# Allegro board 20250806_UNOQ.brd (continued)
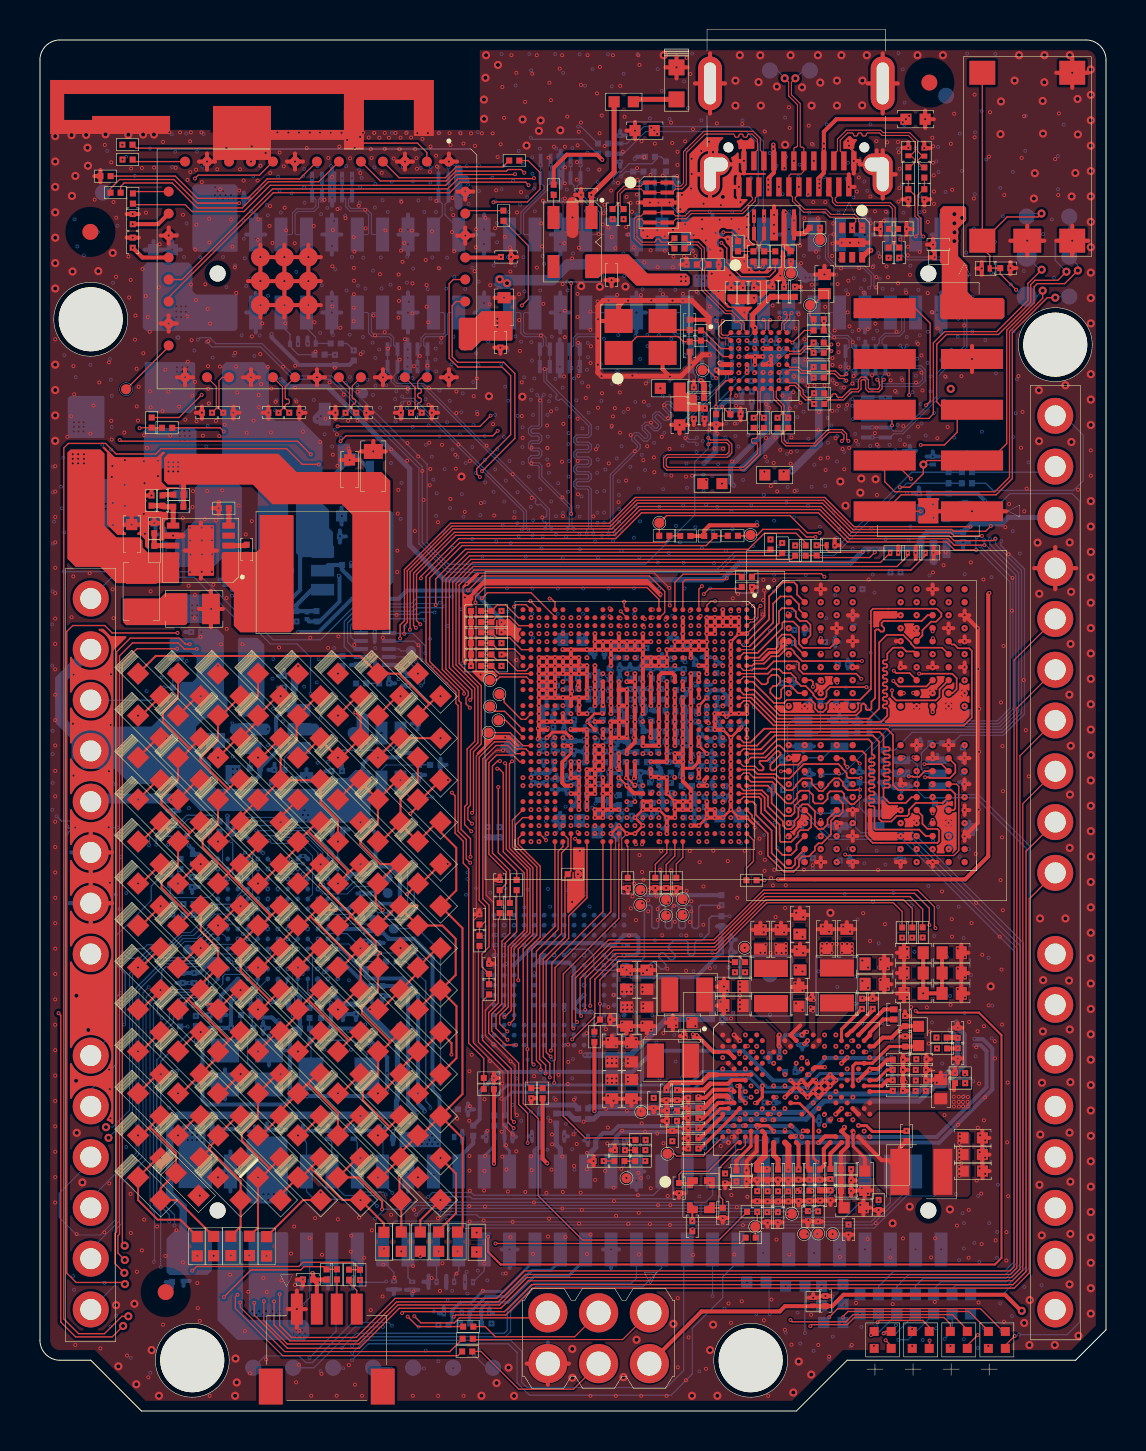
[diagram p0: board, top side]
## Routing (per net, layer and track width the routed paths; a pad name or vN(x,y) marks a point on that pad's centre or on a via; arc(x,y) is an arc through that point) (continued)
FORCED_USB_BOOT_POL_SEL: length 22.1
  TOP w0.066: v2(20.61,30.93) 20.77,30.77 20.77,28.91 21.18,28.5 21.18,27.4 21.45,27.13 21.45,18.4 22.21,17.64 R1314.1 R1313.2
  S3 w0.064: v2(20.61,30.93) 21.12,30.42 21.51,30.42 22.26,29.67 25.81,29.67 26.01,29.87 26.38,29.87 v2(26.57,29.68)
HPH_L: length 22.8
  TOP w0.15: v2(42.67,16.02) 42.63,15.98 PMIC1.L27
  S3 w0.15: v3(42.39,15.99) 42.65,15.99 v2(42.67,16.02)
  S6 w0.15: v3(42.39,15.99) 42.39,16.29 v5(42.4,16.3)
  BOTTOM w0.15: v5(42.4,16.3) 42.1,16.6 39.15,16.6 38.51,15.96 36.2,15.96 35.52,16.64 33.26,16.64 32.57,15.95 23.61,15.95 23.27,15.61 R2634.2
HPH_L_CONN: length 2.4
  BOTTOM w0.15: 23.49,11.98 23.49,13 23.24,13.26 D26089.2 23.24,14.25 R2634.1
HPH_R: length 23.4
  TOP w0.15: PMIC1.J27 41.87,16.55 42.39,17.07 v2(42.67,17.07)
  S3 w0.15: v2(42.67,17.07) 42.67,17.07 v3(42.37,17.07)
  S6 w0.15: v3(42.37,17.07) v5(42.05,17.07)
  BOTTOM w0.15: R2635.2 22.73,15.66 23.38,16.31 32.47,16.31 33.14,16.98 35.6,16.98 36.39,16.19 38.33,16.19 39.02,16.88 41.86,16.88 v5(42.05,17.07)
HPH_R_CONN: length 2.5
  BOTTOM w0.15: 22.22,11.98 22.22,12.75 22.73,13.26 D26090.2 22.73,14.27 R2635.1
HPH_REF: length 27.4
  TOP w0.15: 42.12,16.26 PMIC1.K26
  TOP w0.2: 42.12,16.26 42.4,16.54 v2(42.67,16.54)
  S3 w0.2: v3(42.95,16.54) 42.93,16.54 42.92,16.54 v2(42.67,16.54)
  S6 w0.2: v5(42.65,16.54) v3(42.95,16.54)
  BOTTOM w0.2: R2633.2 22,14.59 22,15.98 22.99,16.97 29.66,16.97 30.71,18.02 35.19,18.02 36.67,16.54 38.19,16.54 39.3,17.65 41.8,17.65 ; v5(42.65,16.54) 42.65,17.15
  BOTTOM w0.203: 41.8,17.65 42.15,17.65 42.65,17.15
HPH_REF_CONN: length 2.1
  BOTTOM w0.203: 20.95,11.98 20.95,12.66 21.68,13.39 R2633.1
HS_DET: length 51.5
  TOP w0.1: v2(22.42,8.72) 22.42,7.96 23.05,7.33 47.78,7.33 48.11,7.66 48.11,18.8 46.98,19.93 43.9,19.93 v2(43.81,20.02)
  S3 w0.064: v2(22.42,8.72) v3(22.42,9.16)
  S3 w0.1: v2(43.81,20.02) 43.56,19.76 42.75,19.76 42.09,19.1 41.2,19.1 40.39,18.29 40.39,18.21 v2(40.36,18.19)
  S6 w0.1: v5(19.68,11.82) 19.76,11.82 v3(22.42,9.16)
  BOTTOM w0.1: 19.68,11.98 v5(19.68,11.82)
JTAG_PS_HOLD: length 22
  TOP w0.066: R709.2 35.02,8.38 v2(22.79,8.38)
  S3 w0.064: v2(22.79,8.38) 22.79,8.17 20.12,5.5 20.12,3.08 v3(20.4,2.8)
  S6 w0.064: v5(21.71,2.8) v3(20.4,2.8)
  BOTTOM w0.066: TP1213.1 22.64,2.14 22.37,2.14 v5(21.71,2.8)
LDO1_EN: length 2
  BOTTOM w0.066: U2801.1 11.7,40.05 R2801.2 11.68,39.33 SB2801.2
LDO1_FB: length 3
  BOTTOM w0.203: C2803.2 13.42,40.01 R2802.2 13.3,40.01 R2803.1 12.83,40.31 13.6,41.08 U2801.6
LDO1_PG: length 8.2
  BOTTOM w0.203: U2801.5 14.43,42.32 15.11,42.32 15.11,42.09 15.94,41.26 C2808.1 17.08,41.26 R2810.1 17.44,41.37 17.58,41.51 17.58,44.86 Q2802.1
LDO2_EN: length 1
  BOTTOM w0.066: U2802.1 10.52,32.48 10.5,32.46 R2804.2
LDO2_FB: length 2.8
  BOTTOM w0.066: U2802.6 12.69,33.15 12.23,32.7 R2806.1 12.23,31.45 C2807.2 12.22,31.43 R2805.2
LED_MATRIX_0: length 22.5
  S3 w0.1: v3(13.22,9.1) 15.04,9.1 16.42,7.72 19.01,7.72 v2(19.03,7.74)
  S6 w0.1: v4(12.09,21.39) 12.04,21.34 12.04,18.67 9.32,15.95 9.32,13.49 13.18,9.63 13.18,9.14 v3(13.22,9.1)
  G7 w0.1: v5(12.9,22.11) 12.17,21.39 v4(12.09,21.39)
LED_MATRIX_0_R: length 84
  TOP w0.1: D27022.2 17.07,20.09 D27021.1 18.91,21.92 D27008.2 19.88,23.15 D27007.1 ; 15.39,26.86 15.88,27.35 v1(16.04,27.35) ; 15.39,26.86 v1(14.91,26.39) ; 15.39,26.86 15.39,27.03 13.42,29 ; v1(10.91,26.39) 11.07,26.39 D27057.1 12.91,28.22 D27044.2 13.42,29 ; v1(10.04,21.05) 9.88,21.05 D27074.2 8.63,20.36 v1(8.36,20.36) ; 19.48,35.36 17.95,36.89 D27014.2 16.02,37.77 5.79,37.77 D27092.2 ; 19.48,35.36 D27002.2 ; 19.48,35.36 19.88,35.75 v1(20.04,35.75) ; D27091.1 v1(8,10.77) ; D27003.1 19.07,30.59 D27004.2 18.91,30.26 v1(18.53,29.88) ; 13.42,29 13.88,29.45 D27043.1 ; R2711.2 19.03,9.54 v1(20.04,10.55)
  G2 w0.1: v1(16.51,20.09) 13.58,23.02 13.58,25.29 14.68,26.39 v1(14.91,26.39) ; v1(16.04,27.35) 16.04,27.39 v1(18.53,29.88) ; v1(10.91,26.39) 10.45,26.39 9.47,25.41 9.47,21.62 v1(10.04,21.05) ; v1(20.04,35.75) 20.42,35.37 v1(20.42,31.56) ; v1(20.04,10.55) 16.78,10.55 16.48,10.25 12.67,10.25 11.92,11 8.23,11 v1(8,10.77) D27091.1 6.31,12.4 6.31,18.31 v1(8.36,20.36)
LED_MATRIX_1: length 25.9
  S3 w0.1: v2(21.85,7.96) 21.25,7.36 16.17,7.36 15.02,8.51 v3(13.77,8.51)
  S6 w0.1: v3(13.77,8.51) 13.77,9.35 9.55,13.56 9.55,15.72 12.29,18.47 12.29,20.8 12.42,20.93 12.42,22.59 v5(12.4,22.61)
LED_MATRIX_1_R: length 74.8
  TOP w0.1: D27005.1 19.07,26.39 D27006.2 v1(18.37,25.85) ; 13.53,24.74 13.07,24.29 D27046.2 12.04,23.42 D27059.1 11.07,22.19 v1(10.91,22.19) ; 13.53,24.74 15.51,22.76 15.51,22.63 ; 13.53,24.74 D27045.1 14.23,25.06 v1(14.8,25.06) ; D27034.2 15.07,22.19 15.51,22.63 ; v1(16.91,32.69) 17.88,33.65 D27015.1 v1(20.04,33.65) ; v1(20.59,17.83) 20.59,18.4 D27009.1 19.07,17.99 D27010.2 18.04,17.12 D27023.1 17.07,15.89 v1(16.91,15.89) ; D27076.2 9.07,15.89 v1(10.04,16.85) ; v1(6.33,33.65) 6.04,33.65 D27093.1 5.88,33.65 D27094.2 ; 15.51,22.63 v1(16.04,23.15)
  G2 w0.1: v1(6.33,33.65) 7.09,33.65 8.79,35.35 10.44,35.35 12.75,33.04 15.39,33.04 15.74,32.69 v1(16.91,32.69) ; v1(18.37,25.85) 17.7,25.85 17.19,25.34 15.08,25.34 v1(14.8,25.06) ; v1(20.4,27.37) 20.04,27.73 v1(20.04,33.65) 20.04,34.51 18.91,35.64 v1(18.91,36.89) ; v1(10.04,16.85) 10.39,17.2 10.39,20.55 10.91,21.07 v1(10.91,22.19) ; v1(16.91,15.89) 16.44,16.35 16.44,18.5 16.8,18.86 16.8,20.15 16.04,20.91 v1(16.04,23.15) ; v1(20.59,17.83) 21.16,17.83 21.85,17.14 v1(21.85,8.92)
LED_MATRIX_2: length 26.1
  S3 w0.1: v2(20.89,7.99) 20.44,7.54 16.3,7.54 15.03,8.81 12.94,8.81 12.73,9.02 v3(12.52,9.02)
  S6 w0.1: v3(12.52,9.02) 12.52,9.96 9.07,13.41 9.07,16.08 11.79,18.8 11.79,20.31 11.81,20.33 11.81,21.51 12.19,21.89 12.19,22.76 12.4,22.97 v5(12.4,23.11)
LED_MATRIX_2_R: length 84
  TOP w0.1: D27047.1 13.88,21.05 13.41,20.58 ; D27003.2 18.91,31.48 18.04,30.61 D27017.1 ; v1(6.45,29.04) D27095.1 5.07,28.49 D27096.2 ; D27017.1 17.07,28.49 D27018.2 ; D27017.1 18.04,29.35 D27005.2 19.88,29.45 D27004.1 20.04,28.96 20.83,28.17 20.83,26.04 D27006.1 21.14,24.15 21.14,15.85 D27011.1 ; R2702.2 21.15,9.21 21.15,13.64 D27011.1 ; 15.47,18.55 15.88,18.95 D27035.1 ; 15.47,18.55 D27036.2 ; 15.47,18.55 15.44,18.55 13.41,20.58 ; v1(10.91,17.99) 11.88,18.95 D27061.1 12.91,19.82 D27048.2 13.41,20.58 ; D27011.1 19.07,13.79 D27012.2 18.04,12.92 D27025.1 17.07,11.69 v1(16.91,11.69) ; v1(10.04,12.23) D27077.1
  G2 w0.1: v1(16.91,11.69) 16.39,11.69 15.31,10.61 12.78,10.61 12.11,11.28 ; 12.11,11.28 10.91,12.48 ; 12.11,11.28 10.31,11.28 ; v1(10.91,17.99) 10.91,12.48 ; 10.91,12.48 10.33,13.06 9.21,13.06 7.6,14.67 7.6,19.07 8.91,20.39 8.91,21.14 7.34,22.71 7.34,28.15 v1(6.45,29.04) ; v1(8.91,11.69) 9.31,11.28 10.31,11.28 ; v1(10.04,12.23) 10.04,11.55 10.31,11.28
LED_MATRIX_3: length 28.1
  S3 w0.1: v2(19.95,7.99) 18.46,7.99 18.09,8.36 16.69,8.36 15.19,9.86 12.89,9.86 11.45,11.3 8.46,11.3 v3(8.32,11.16)
  S6 w0.1: v4(11.35,23.47) 11.35,23.4 11.21,23.26 11.21,22.94 9.86,21.59 9.86,19.05 7.85,17.04 7.85,12.7 8.05,12.5 8.05,11.43 v3(8.32,11.16)
  G7 w0.1: v4(11.35,23.47) 11.49,23.61 11.9,23.61 12.04,23.47 12.04,23.45 v5(12.06,23.45)
  BOTTOM w0.1: MCU1.G5 12.04,23.47 12.04,23.45 v5(12.06,23.45)
LED_MATRIX_3_R: length 75.7
  TOP w0.1: v1(14.91,34.79) 15.88,35.75 D27027.1 ; D27008.1 20.8,21.81 20.8,23.62 20.13,24.29 D27007.2 18.04,25.15 D27019.1 ; D27008.1 19.88,21.05 D27009.2 ; D27008.1 20.84,20.25 20.84,17.65 D27010.1 19.07,15.89 v1(18.91,15.89) ; D27049.1 13.88,16.85 13.42,16.39 ; D27080.2 7.88,35.75 v1(8.04,35.75) ; v1(20.04,12.65) 20.82,11.87 20.82,9.9 19.95,9.03 R2703.2 ; v1(16.04,14.75) 15.88,14.75 D27038.2 14.91,14.9 13.42,16.39 ; v1(6.04,25.25) 5.07,24.29 D27098.2 ; D27019.1 v1(18.84,25.25) ; D27019.1 17.88,25.25 D27020.2 ; 13.42,16.39 D27050.2 12.04,15.02 D27063.1 11.07,13.79 D27064.2
  G2 w0.1: v1(18.91,15.89) 20.04,14.75 v1(20.04,12.65) 19.03,12.65 16.93,14.75 v1(16.04,14.75) ; v1(6.04,25.25) 6.04,29.25 6.92,30.13 6.92,31.31 5.86,32.37 5.86,34.12 7.49,35.75 v1(8.04,35.75) 10.93,35.75 11.89,34.79 v1(14.91,34.79) 15.26,34.43 16.98,34.43 17.71,33.7 17.71,31.29 19.17,29.83 19.17,25.58 v1(18.84,25.25)
LED_MATRIX_4: length 24.1
  S3 w0.1: v3(10.08,10.99) 10.13,11.04 11.43,11.04 12.83,9.64 15.1,9.64 16.61,8.13 v2(17.21,8.13)
  S6 w0.1: v5(11.9,24.11) 11.9,23.4 11.56,23.07 11.56,22.8 10.29,21.53 10.29,18.82 8.23,16.76 8.23,12.98 8.84,12.37 8.84,11.66 9.32,11.18 9.89,11.18 v3(10.08,10.99)
LED_MATRIX_4_R: length 81.2
  TOP w0.1: v1(18.04,35.75) 17.88,35.75 D27015.2 ; D27017.2 17.88,31.55 v1(18.04,31.55) ; D27017.2 16.91,29.38 16.03,28.5 16.03,28.36 17.04,27.35 17.88,27.35 ; D27017.2 16.04,31.45 D27029.1 15.88,31.55 D27030.2 ; 17.88,27.35 D27019.2 16.8,26.28 16.8,25.41 v1(17.15,25.06) ; 17.88,27.35 D27018.1 ; 13.54,12.15 13.07,11.69 D27052.2 12.04,10.82 D27065.1 ; 13.54,12.15 15.14,10.55 v1(16.04,10.55) 17.21,9.38 R2704.2 ; 13.54,12.15 D27051.1 ; D27100.2 5.07,20.09 v1(6.04,21.05) ; D27081.1 7.88,31.55 D27082.2
  G2 w0.1: v1(16.04,10.55) 16.77,11.28 18.5,11.28 v1(18.91,11.69) 19.76,11.69 20.56,12.49 20.56,15.04 19.32,16.28 18.65,16.28 18.39,16.02 17.19,16.02 16.62,16.59 16.62,18.29 17.03,18.7 17.03,20.32 16.66,20.69 16.66,21.5 18.04,22.88 v1(18.04,23.15) 18.04,24.17 v1(17.15,25.06) ; v1(18.04,31.55) 18.51,32.02 18.51,35.28 v1(18.04,35.75) 17.09,35.75 15.58,37.26 v1(12.92,37.26) 8.92,37.26 v1(8.9,37.28) 7.65,37.28 5.51,35.14 5.51,31.98 6.57,30.92 v1(6.57,30.58) 5.76,29.77 5.76,21.33 v1(6.04,21.05)
LED_MATRIX_5: length 28.1
  S3 w0.1: v3(10.01,9.73) 10.01,9.92 10.4,10.31 11.86,10.31 12.76,9.41 15,9.41 16.51,7.9 17.99,7.9 v2(18.08,7.99)
  S6 w0.1: v3(10.01,9.73) 10.01,10.24 9.45,10.8 7.66,10.8 7.24,11.22 7.24,12.65 7.47,12.88 7.47,17.22 9.47,19.23 9.47,21.77 10.67,22.96 10.67,23.22 10.67,23.22 10.67,23.27 10.82,23.42 10.87,23.42 v4(10.95,23.5)
  G7 w0.1: v4(10.95,23.5) 11.18,23.27 11.74,23.27 v5(11.9,23.11)
LED_MATRIX_5_R: length 65.9
  TOP w0.1: 17.5,14.21 D27024.1 ; 17.5,14.21 16.15,15.56 16.15,16.05 16.91,16.81 D27023.2 17.07,17.99 17.5,18.42 ; 17.5,14.21 17.07,13.79 v1(16.91,13.79) ; D27102.2 5.88,16.85 v1(6.04,16.85) ; D27042.2 13.07,32.69 D27041.1 14.04,33.55 v1(14.91,32.69) 15.07,32.69 D27028.1 16.04,34.69 v1(15.78,34.95) ; 17.5,18.42 D27022.1 ; 17.5,18.42 17.5,18.5 16.11,19.89 16.11,20.19 16.91,20.99 D27021.2 16.91,22.81 v1(17.02,22.91) ; v1(17.99,11.7) 17.99,10.6 D27026.1 18.08,10.51 R2705.2 ; v1(8.04,27.35) 7.88,27.35 v1(6.91,26.39) ; v1(8.91,32.69) 9.88,33.65 D27067.1 10.91,34.52 D27054.2 11.88,35.75 v1(12.04,35.75)
  G2 w0.1: v1(14.91,32.69) 14.91,31.65 16.04,30.52 v1(16.04,29.45) 15.48,28.89 15.48,26.37 14.29,25.18 14.29,24.51 15.01,23.79 16.14,23.79 v1(17.02,22.91) ; v1(12.04,35.75) 12.92,35.75 14.06,36.89 v1(14.91,36.89) 14.91,35.82 v1(15.78,34.95) ; v1(8.91,32.69) 8.91,31.5 8.3,30.89 8.3,27.61 v1(8.04,27.35) ; v1(6.91,26.39) 6.54,26.02 6.54,19.08 6.04,18.58 v1(6.04,16.85) ; v1(16.91,13.79) 16.91,12.72 17.93,11.7 v1(17.99,11.7)
LED_MATRIX_6: length 22
  S3 w0.1: v2(7.87,7.76) 8.14,7.49 9.81,7.49 10.59,8.27 v3(10.59,9.92)
  S6 w0.1: v5(11.4,24.11) 11.63,23.88 11.63,23.39 11.38,23.14 11.38,22.87 10.06,21.55 10.06,18.92 8.03,16.89 8.03,12.88 8.51,12.4 8.51,11.46 8.99,10.97 9.63,10.97 10.59,10.01 v3(10.59,9.92)
LED_MATRIX_6_R: length 67.8
  TOP w0.1: v1(16.04,12.65) 15.88,12.65 D27039.2 15.92,11.69 17.12,10.49 v1(17.12,10.09) ; D27055.1 12.04,32.75 12.84,33.55 12.84,34.72 D27041.2 13.88,35.75 D27040.1 ; D27055.1 D27042.1 14.04,30.43 14.91,29.56 v1(14.91,28.49) ; D27055.1 11.07,30.59 D27056.2 10.04,29.72 D27069.1 9.07,28.49 v1(8.91,28.49) ; R2706.2 7.02,9.57 5.89,9.57 4.91,10.55 D27104.2 5.88,12.65 v1(6.04,12.65) ; 15.54,24.75 D27032.1 ; 15.54,24.75 15.54,24.83 v1(14.04,26.33) ; 15.54,24.75 16.8,23.49 16.8,23.02 16.04,22.26 D27034.1 15.88,21.05 v1(14.91,20.09) ; 15.54,24.75 15.07,24.29 D27033.2 ; v1(8.04,23.15) 7.88,23.15 D27086.2 ; v1(14.91,15.89) 15.07,15.89 D27036.1
  G2 w0.1: v1(14.04,26.33) 14.91,27.2 v1(14.91,28.49) ; v1(16.04,12.65) 14.91,13.79 v1(14.91,15.89) v1(14.91,20.09) ; v1(17.12,10.09) 12.22,10.09 11.55,10.76 8.38,10.76 8.04,10.42 7.77,10.42 6.04,12.15 v1(6.04,12.65) ; v1(8.04,23.15) 8.04,25.97 8.91,26.84 v1(8.91,28.49)
LED_MATRIX_7: length 18.1
  S3 w0.1: v2(11.34,7.76) 11.97,8.39 11.97,9.86 11.79,10.04 11.27,10.04 v3(11.18,9.95)
  S6 w0.1: v4(11.56,22.11) 11.44,22.11 10.74,21.41 10.74,18.57 8.66,16.48 8.66,13.23 11.18,10.71 v3(11.18,9.95)
  G7 w0.1: v5(11.9,22.11) v4(11.56,22.11)
LED_MATRIX_7_R: length 53.4
  TOP w0.1: v1(10.04,25.25) 9.88,25.25 v1(8.91,24.29) ; D27052.1 13.17,10.55 R2707.2 ; v1(14.04,27.35) 13.88,27.35 D27045.2 ; D27050.1 13.07,13.79 v1(12.91,13.79) ; v1(10.91,32.69) 11.07,32.69 D27054.1 ; D27046.1 13.88,23.15 v1(12.91,22.19) ; D27043.2 12.04,29.72 v1(12.04,29.45) ; v1(8.04,18.95) 7.88,18.95 D27088.2 ; v1(10.02,34.88) 10.91,35.77 D27053.2 ; D27048.1 13.07,17.99 v1(12.91,17.99)
  G2 w0.1: v1(8.04,18.95) 9.26,20.17 9.26,21.39 8.91,21.74 v1(8.91,24.29) ; 10.9,25.25 12.91,23.25 v1(12.91,22.19) v1(12.91,17.99) v1(12.91,13.79) 12.91,12.47 14.04,11.34 v1(14.04,10.94) ; 10.9,25.25 v1(10.04,25.25) ; 10.9,25.25 12.93,27.28 12.93,27.55 ; v1(10.02,34.88) 10.02,33.58 v1(10.91,32.69) 10.91,31.73 12.04,30.6 v1(12.04,29.45) 12.04,28.44 12.93,27.55 ; v1(14.04,27.35) 13.13,27.35 12.93,27.55
LED_MATRIX_8: length 17.3
  S3 w0.1: v2(10.48,7.78) 11.55,8.85 v3(11.55,9.6)
  S6 w0.1: v4(11.51,21.13) 11.38,21.13 11.05,20.8 11.05,18.44 8.86,16.26 8.86,13.34 11.55,10.65 v3(11.55,9.6)
  G7 w0.1: v5(12.27,21.13) v4(11.51,21.13)
  BOTTOM w0.1: MCU1.F1 v5(12.27,21.13)
LED_MATRIX_8_R: length 47.1
  TOP w0.1: D27071.2 9.43,26.91 ; 9.43,26.91 8.14,28.2 8.14,28.56 8.91,29.33 D27069.2 9.43,31.11 ; 9.43,26.91 9.43,26.89 11.49,24.83 11.49,24.7 ; 9.43,26.91 9.88,27.35 D27070.1 10.91,28.22 D27057.2 ; 11.51,12.13 11.07,11.69 v1(10.91,11.69) 10.91,9.17 R2708.2 ; 11.51,12.13 D27064.1 ; 11.51,12.13 10.1,13.54 10.1,13.87 10.91,14.68 D27063.2 11.88,16.85 v1(12.04,16.85) ; 11.52,20.53 10.04,22.01 D27072.1 10.04,23.42 D27059.2 11.07,24.29 11.49,24.7 ; 11.52,20.53 11.07,20.09 v1(10.91,20.09) ; 11.52,20.53 D27060.1 ; D27089.1 7.88,14.75 v1(6.91,13.79) ; 9.43,31.11 9.88,31.55 D27068.1 ; 9.43,31.11 8.03,32.51 8.03,32.68 8.91,33.56 D27067.2 9.07,34.79 D27066.1 ; D27058.1 11.49,24.7
  G2 w0.1: v1(6.91,13.79) 8.15,12.55 10.05,12.55 v1(10.91,11.69) ; v1(10.91,20.09) 10.91,19.06 12.04,17.93 v1(12.04,16.85)
LED_MATRIX_9: length 17.9
  S3 w0.1: v2(9.55,7.78) 9.65,7.88 9.65,10.15 10.15,10.65 v3(10.5,10.65)
  S6 w0.1: v5(11.76,22.53) 11.61,22.53 10.52,21.44 10.52,18.73 8.43,16.65 8.43,13.13 9.63,11.94 9.7,11.94 10.5,11.14 v3(10.5,10.65)
  BOTTOM w0.1: v5(11.76,22.53) 11.82,22.53 MCU1.G3
LED_MATRIX_9_R: length 44
  TOP w0.1: 7.42,20.59 9.46,18.55 9.46,18.53 ; 7.42,20.59 D27087.2 ; 7.42,20.59 7.88,21.05 D27086.1 8.04,21.32 D27073.2 8.91,23.15 8.04,24.02 D27084.1 7.88,25.25 7.46,24.84 ; 9.46,18.53 9.88,18.95 D27074.1 ; 9.46,18.53 D27075.2 8.91,17.72 D27088.1 7.07,15.89 v1(6.91,15.89) ; 8.51,13.12 v1(8.51,13.23) 8.91,13.64 D27077.2 9.88,14.75 D27076.1 ; 8.51,13.12 D27090.1 ; 8.51,13.12 8.51,13.04 10.04,11.51 D27078.1 10.04,9.23 R2709.2 ; 7.46,24.84 7.42,24.84 6.08,26.18 6.08,26.46 6.91,27.29 D27083.2 7.07,28.49 7.54,28.95 ; 7.46,24.84 D27085.2 ; 7.54,28.95 7.49,28.95 6.08,30.36 6.08,30.73 6.91,31.56 D27081.2 7.07,32.69 7.51,33.13 ; 7.54,28.95 D27082.1 ; D27080.1 7.51,33.13 ; 7.51,33.13 6.16,34.48 6.16,34.92 6.91,35.67 D27079.2
  G2 w0.1: v1(8.51,13.23) 6.91,14.83 v1(6.91,15.89)
LED_MATRIX_10: length 18.1
  S3 w0.1: v2(8.69,7.77) 8.69,9.05 7.79,9.95 v3(7.79,11.14)
  S6 w0.1: v4(10.92,23.16) 10.92,22.94 9.65,21.67 9.65,19.13 7.65,17.12 7.65,11.28 v3(7.79,11.14)
  G7 w0.1: v5(11.5,22.95) 11.34,23.11 10.97,23.11 v4(10.92,23.16)
  BOTTOM w0.1: MCU1.H4 11.4,23.05 v5(11.5,22.95)
LED_MATRIX_10_R: length 38.1
  TOP w0.1: 5.54,14.25 5.07,13.79 v1(4.91,13.79) ; 5.54,14.25 5.54,14.16 6.8,12.9 D27091.2 6.04,11.14 D27104.1 6.87,10.55 R2710.2 ; 5.54,14.25 D27102.1 ; v1(4.91,26.39) 5.07,26.39 D27096.1 ; v1(4.91,22.19) 5.07,22.19 D27098.1 ; v1(4.91,30.59) 5.88,31.55 D27094.1 ; v1(4.91,34.79) 5.07,34.79 D27092.1 ; v1(4.91,17.99) 5.07,17.99 D27100.1
  G2 w0.1: v1(4.91,13.79) v1(4.91,17.99) v1(4.91,22.19) v1(4.91,26.39) v1(4.91,30.59) v1(4.91,34.79)
LED_MATRIX_11: length 2.4
  BOTTOM w0.051: 8.61,23.85 9.16,23.85 MCU1.M5
  BOTTOM w0.1: 8.61,23.85 7.84,23.08 TP2506.1
LED_PWR: length 2.2
  TOP w0.254: D27201.1 29.81,65.61 R2735.2
LINEOUT_M: length 2.3
  BOTTOM w0.254: R2632.2 25.02,15.14 25.19,15.31 26.76,15.31 C514.1
LINEOUT_M_C: length 26.9
  S3 w0.15: v2(40.67,17.96) 40.68,17.95 41,17.95 41.25,18.2 41.89,18.2 42.95,19.25 45,19.25 v3(45.23,19.02)
  S6 w0.15: v3(45.23,19.02) 45.29,19.08 45.49,19.08 v5(45.53,19.04)
  BOTTOM w0.254: C514.2 27.51,15.21 33.64,15.21 33.91,14.94 38.19,14.94 39.1,15.85 43.85,15.85 44.6,16.6 45.08,16.6 45.9,17.42 45.9,18.67 v5(45.53,19.04)
LINEOUT_M_CONN: length 2.5
  BOTTOM w0.254: R2632.1 25.02,14.37 D26088.2 25.02,13.26 24.76,13.01 24.76,11.98
LINEOUT_P: length 1.2
  BOTTOM w0.254: R2631.2 26.46,14.88 26.73,14.61 C513.1
LINEOUT_P_C: length 28
  S3 w0.15: v2(40.95,18.24) 40.95,18.26 41.17,18.48 41.74,18.48 42.77,19.51 45.5,19.51 v3(45.56,19.45)
  S6 w0.15: v5(45.85,19.47) 45.81,19.51 45.62,19.51 v3(45.56,19.45)
  BOTTOM w0.254: C513.2 27.71,14.61 27.98,14.88 33.48,14.88 33.77,14.6 38.33,14.6 39.23,15.5 43.98,15.5 44.74,16.26 45.21,16.26 46.24,17.29 46.24,18.83 45.85,19.22 v5(45.85,19.47)
LINEOUT_P_CONN: length 2.5
  BOTTOM w0.254: R2631.1 25.84,14.37 D26087.2 25.84,13.31 26.03,13.12 26.03,11.98
LNBBCLK1: length 6.8
  S3 w0.064: v2(35.28,14.88) 35.26,14.86 34.77,14.86 33.86,13.94 33.86,12.99 33.53,12.66 32.72,12.66 32.72,12.67 31.5,12.67 30.72,13.45 30.6,13.45 30.49,13.56 v2(30.3,13.56)
LNBBCLK2: length 6.1
  S3 w0.064: v2(34.65,14.28) 34.65,13.87 34.48,13.7 34.48,12.86 34.35,12.73 33.82,12.2 31.08,12.2 30.76,12.52 v2(30.28,12.52)
LNBBCLK2_R: length 0.5
  TOP w0.066: R703.1 C720.1
MCU_BOOT0: length 39.8
  S3 w0.064: v3(18.96,35.51) 14.86,35.51 14.55,35.82 13.8,35.82 v3(13.55,35.58)
  S6 w0.064: v3(18.96,35.51) 18.79,35.68 18.79,36.01 v5(19.07,36.29) ; v5(6.31,42.62) 6.58,42.35 6.58,41.79 v5(6.49,41.7) ; v4(12.89,25.13) 12.89,25.87 11.96,26.8 11.96,32.8 13.55,34.39 v3(13.55,35.58) 13.55,35.87 v5(13.54,35.88)
  G7 w0.064: v4(12.89,25.13) 13.67,24.36 13.67,23.85 v5(13.9,23.61)
  BOTTOM w0.066: U1101.10 18.21,37.72 19.24,36.69 19.24,36.43 19.1,36.29 v5(19.07,36.29) ; v5(13.54,35.88) 13.54,37.7 12.87,38.37 11.53,38.37 10.7,39.2 10.21,39.2 7.72,41.7 v5(6.49,41.7) 3.6,41.7 JANALOG1.1 ; v5(6.31,42.62) 6.31,43.26 R2621.1
MCU_BOOT0_1P8V: length 12.7
  TOP w0.066: SOC1.AH1 24.31,40.34 23.83,40.34 v2(23.72,40.23)
  S3 w0.064: v2(23.72,40.23) 23.47,39.98 21.11,39.98 20.43,40.66 v3(20.23,40.66)
  S6 w0.064: v5(20,40.44) v3(20.23,40.66)
  BOTTOM w0.066: U1101.2 16.04,37.71 15.74,37.71 15.22,38.23 15.22,39.5 15.93,40.22 18.65,40.22 18.82,40.39 19.96,40.39 v5(20,40.44)
MCU_BT_UART_CTS_R: length 1.8
  TOP w0.064: R2906.2 4.74,61 U2901.14
MCU_BT_UART_RTS_R: length 5.2
  TOP w0.064: R2904.2 4.8,63.17 8.79,63.17 U2901.11
MCU_BT_UART_RX_R: length 7
  TOP w0.064: R2901.2 23.16,62.23 20.82,62.23 20.28,61.69 17.97,61.69 U2901.4
MCU_BT_UART_TX_R: length 2
  TOP w0.064: U2901.41 21.43,60.05 R2908.2
MCU_CRS_SYNC_PA10: length 59.2
  S6 w0.064: v4(4.67,26.49) 4.67,25.32 3.76,24.41 3.76,15.32 4.58,14.5 4.58,6.71 6.04,5.25 9.01,5.25 11.11,3.15 v5(15.1,3.15)
  G7 w0.064: v4(4.67,26.49) 5.69,27.51 6.91,27.51 7.39,27.03 7.87,27.03 8.05,26.85 12.16,26.85 v5(12.4,26.61)
  BOTTOM w0.066: JMISC1.25 29.84,6.63 29.6,6.39 24.73,6.39 23.38,5.04 23.38,4.04 23.23,3.89 15.84,3.89 v5(15.1,3.15)
MCU_I2C2_SCL: length 75.7
  S6 w0.064: v5(10.64,27.89) 10.64,28.34 9.07,29.91 9.07,45.77 8.14,46.7 8.14,53.28 v5(8.34,53.48)
  BOTTOM w0.051: 10.64,25.86 v5(10.64,27.89)
  BOTTOM w0.066: MCU1.K9 10.64,25.86 ; v5(8.34,53.48) 8.59,53.23 11.04,53.23 12.65,51.62 14.51,51.62 18.96,47.17 18.96,43.38 20.38,41.96 33.98,41.96 34.82,42.8 39.75,42.8 43.36,46.41 R2643.2 R2644.1
MCU_I2C2_SCL_CONN: length 10
  BOTTOM w0.066: R2644.2 47.32,46.41 47.68,46.05 51.71,46.05 52.2,46.53 52.2,48.82 51.24,49.78 JDIGITAL1.18
MCU_I2C2_SDA: length 76.4
  S6 w0.064: v5(7.9,53.59) 7.98,53.51 7.98,46.64 8.87,45.75 8.87,29.81 10.26,28.42 v5(10.26,27.94)
  BOTTOM w0.051: 10.13,26.01 10.13,27.81
  BOTTOM w0.066: 10.13,26.01 9.9,25.77 MCU1.L9 ; v5(7.9,53.59) 8,53.69 8.5,53.69 8.8,53.39 11.11,53.39 12.72,51.78 14.58,51.78 19.12,47.23 19.12,43.45 20.45,42.12 33.91,42.12 34.75,42.96 39.63,42.96 43.63,46.96 R2642.2 R2645.1 ; 10.13,27.81 v5(10.26,27.94)
MCU_I2C2_SDA_CONN: length 4.3
  BOTTOM w0.066: JDIGITAL1.17 50.52,46.96 R2645.2
MCU_I2C4_SCL_PD12: length 43.9
  TOP w0.066: v2(7.62,7.02) 7.83,7.23 12.95,7.23 13.16,7.44 15.67,7.44 16.01,7.1 R2614.2 16,7.07 R2615.1
  S3 w0.064: v2(7.62,7.02) 5.68,7.02 4.57,5.91 3.86,5.91 3.35,6.42 1.48,6.42 1.07,6.83 1.07,18.28 3.15,20.36 v3(3.15,21.44)
  S6 w0.064: v3(3.15,21.44) 3.39,21.44 v4(3.48,21.35)
  G7 w0.064: v4(3.48,21.35) 3.64,21.35 4.67,22.38 4.67,23.09 4.93,23.34 7.75,23.34 8,23.6 9.58,23.6 9.84,23.86 v5(10.15,23.86)
  BOTTOM w0.051: 10.15,25.74 10.15,25.43 10.21,25.37 10.57,25.37 10.67,25.27 10.67,23.95 10.58,23.86 v5(10.15,23.86)
  BOTTOM w0.066: 10.15,25.74 10.4,25.99 MCU1.K10
MCU_I2C4_SCL_PD12_CONN: length 1.6
  TOP w0.066: R2615.2 15.47,6.41 15.85,6.03 QWIIC1.4
MCU_I2C4_SCL_PF14: length 52.5
  S3 w0.064: v6(3.3,14.2) 5.01,14.2 7.36,11.85 12.32,11.85 13.43,10.74 23.1,10.74 24.62,9.22 v3(25.35,9.22)
  S6 w0.064: v4(25.37,8.89) 25.37,9.19 v3(25.35,9.22)
  G7 w0.064: v4(25.37,8.89) 25.53,9.04 26.61,9.04 31.37,13.81 35.55,13.81 v5(35.82,13.54)
  BOTTOM w0.058: 4.49,21.89 4.49,15.05 3.63,14.2 v6(3.3,14.2) ; 8.58,24.36 9.65,24.36 MCU1.L6 ; 6.54,23.02 7.16,23.64 7.86,23.64
  BOTTOM w0.066: 4.49,21.89 5.62,23.02 6.54,23.02 ; v5(35.82,13.54) R2668.1 ; 8.58,24.36 7.86,23.64
MCU_I2C4_SCL_PF14_CONN: length 1.8
  BOTTOM w0.066: 36.19,11.98 36.19,12.72 36.85,13.38 R2668.2
MCU_I2C4_SDA_PD13: length 48.5
  TOP w0.066: 14.34,7.09 R2613.2 ; 14.34,7.09 R2616.1 ; 14.34,7.09 14.21,7.22 13.21,7.22 13.05,7.06 10.56,7.06 v2(9.2,5.7)
  S3 w0.064: v3(2.97,26.67) 1.73,26.67 0.56,25.5 0.56,4.72 1.67,3.61 4.48,3.61 5.79,4.92 8.42,4.92 v2(9.2,5.7)
  S6 w0.064: v4(3.45,26.29) 3.07,26.67 v3(2.97,26.67)
  G7 w0.064: v4(3.45,26.29) 3.91,26.29 5.31,27.69 8.79,27.69 9.45,27.03 10.31,27.03 v5(10.4,27.11)
MCU_I2C4_SDA_PD13_CONN: length 1.5
  TOP w0.066: R2616.2 14.86,5.11 QWIIC1.3
MCU_I2C4_SDA_PF15: length 48.9
  S3 w0.064: v3(24.94,8.79) 24.86,8.79 23.08,10.57 13.35,10.57 12.25,11.67 7.29,11.67 5.29,13.67 v6(3.43,13.67)
  S6 w0.064: v3(24.94,8.79) 25.2,8.53 v4(25.37,8.53)
  G7 w0.064: v4(25.37,8.53) 26.41,8.53 31.42,13.54 v5(33.78,13.54)
  BOTTOM w0.058: 4.63,21.83 4.63,14.87 v6(3.43,13.67) ; 7.92,23.49 7.22,23.49 6.59,22.86
  BOTTOM w0.066: 7.92,23.49 8.54,24.11 MCU1.N6 ; R2669.1 v5(33.78,13.54) ; 6.59,22.86 5.67,22.86 4.63,21.83
MCU_I2C4_SDA_PF15_CONN: length 1.6
  BOTTOM w0.066: R2669.2 34.8,12.1 34.92,11.98
MCU_JTAG_NJTRST_PB4: length 77.2
  TOP w0.066: JDIGITAL1.9 49.5,25.62 49.5,6.91 48.74,6.15 24.66,6.15 23.31,4.8 20.79,4.8 v2(20.7,4.71)
  S3 w0.064: v3(23.19,9.64) 23.19,8.23 21.71,6.75 21.71,5.72 v2(20.7,4.71)
  S6 w0.064: v3(23.19,9.64) 23.19,10.59 20.04,13.74 v5(20.04,16.36)
  BOTTOM w0.066: v5(20.04,16.36) 20.04,22.99 18.9,24.13 TP2504.1 17.55,24.28 16.49,24.28 16.41,24.36 14.64,24.36 MCU1.B6
MCU_JTAG_SWCLK: length 24.2
  S3 w0.064: v3(14.25,35.35) 14.69,35.35 14.99,35.05 19.13,35.05 v3(19.25,35.18)
  S6 w0.064: v3(19.25,35.18) 19.41,35.33 19.41,36.69 19.16,36.94 v5(19.16,37.55) ; v3(14.25,35.35) 14.2,35.3 14.2,34.23 13.67,33.7 13.67,30.09 14.48,29.28 14.48,28.35 13.87,27.74 13.87,27.15 13.74,27.03 13.74,26.27 v5(13.9,26.11)